# Altium PCB MCU009B_PCB_ASCII.PcbDoc (part 3 of 4) (continued)
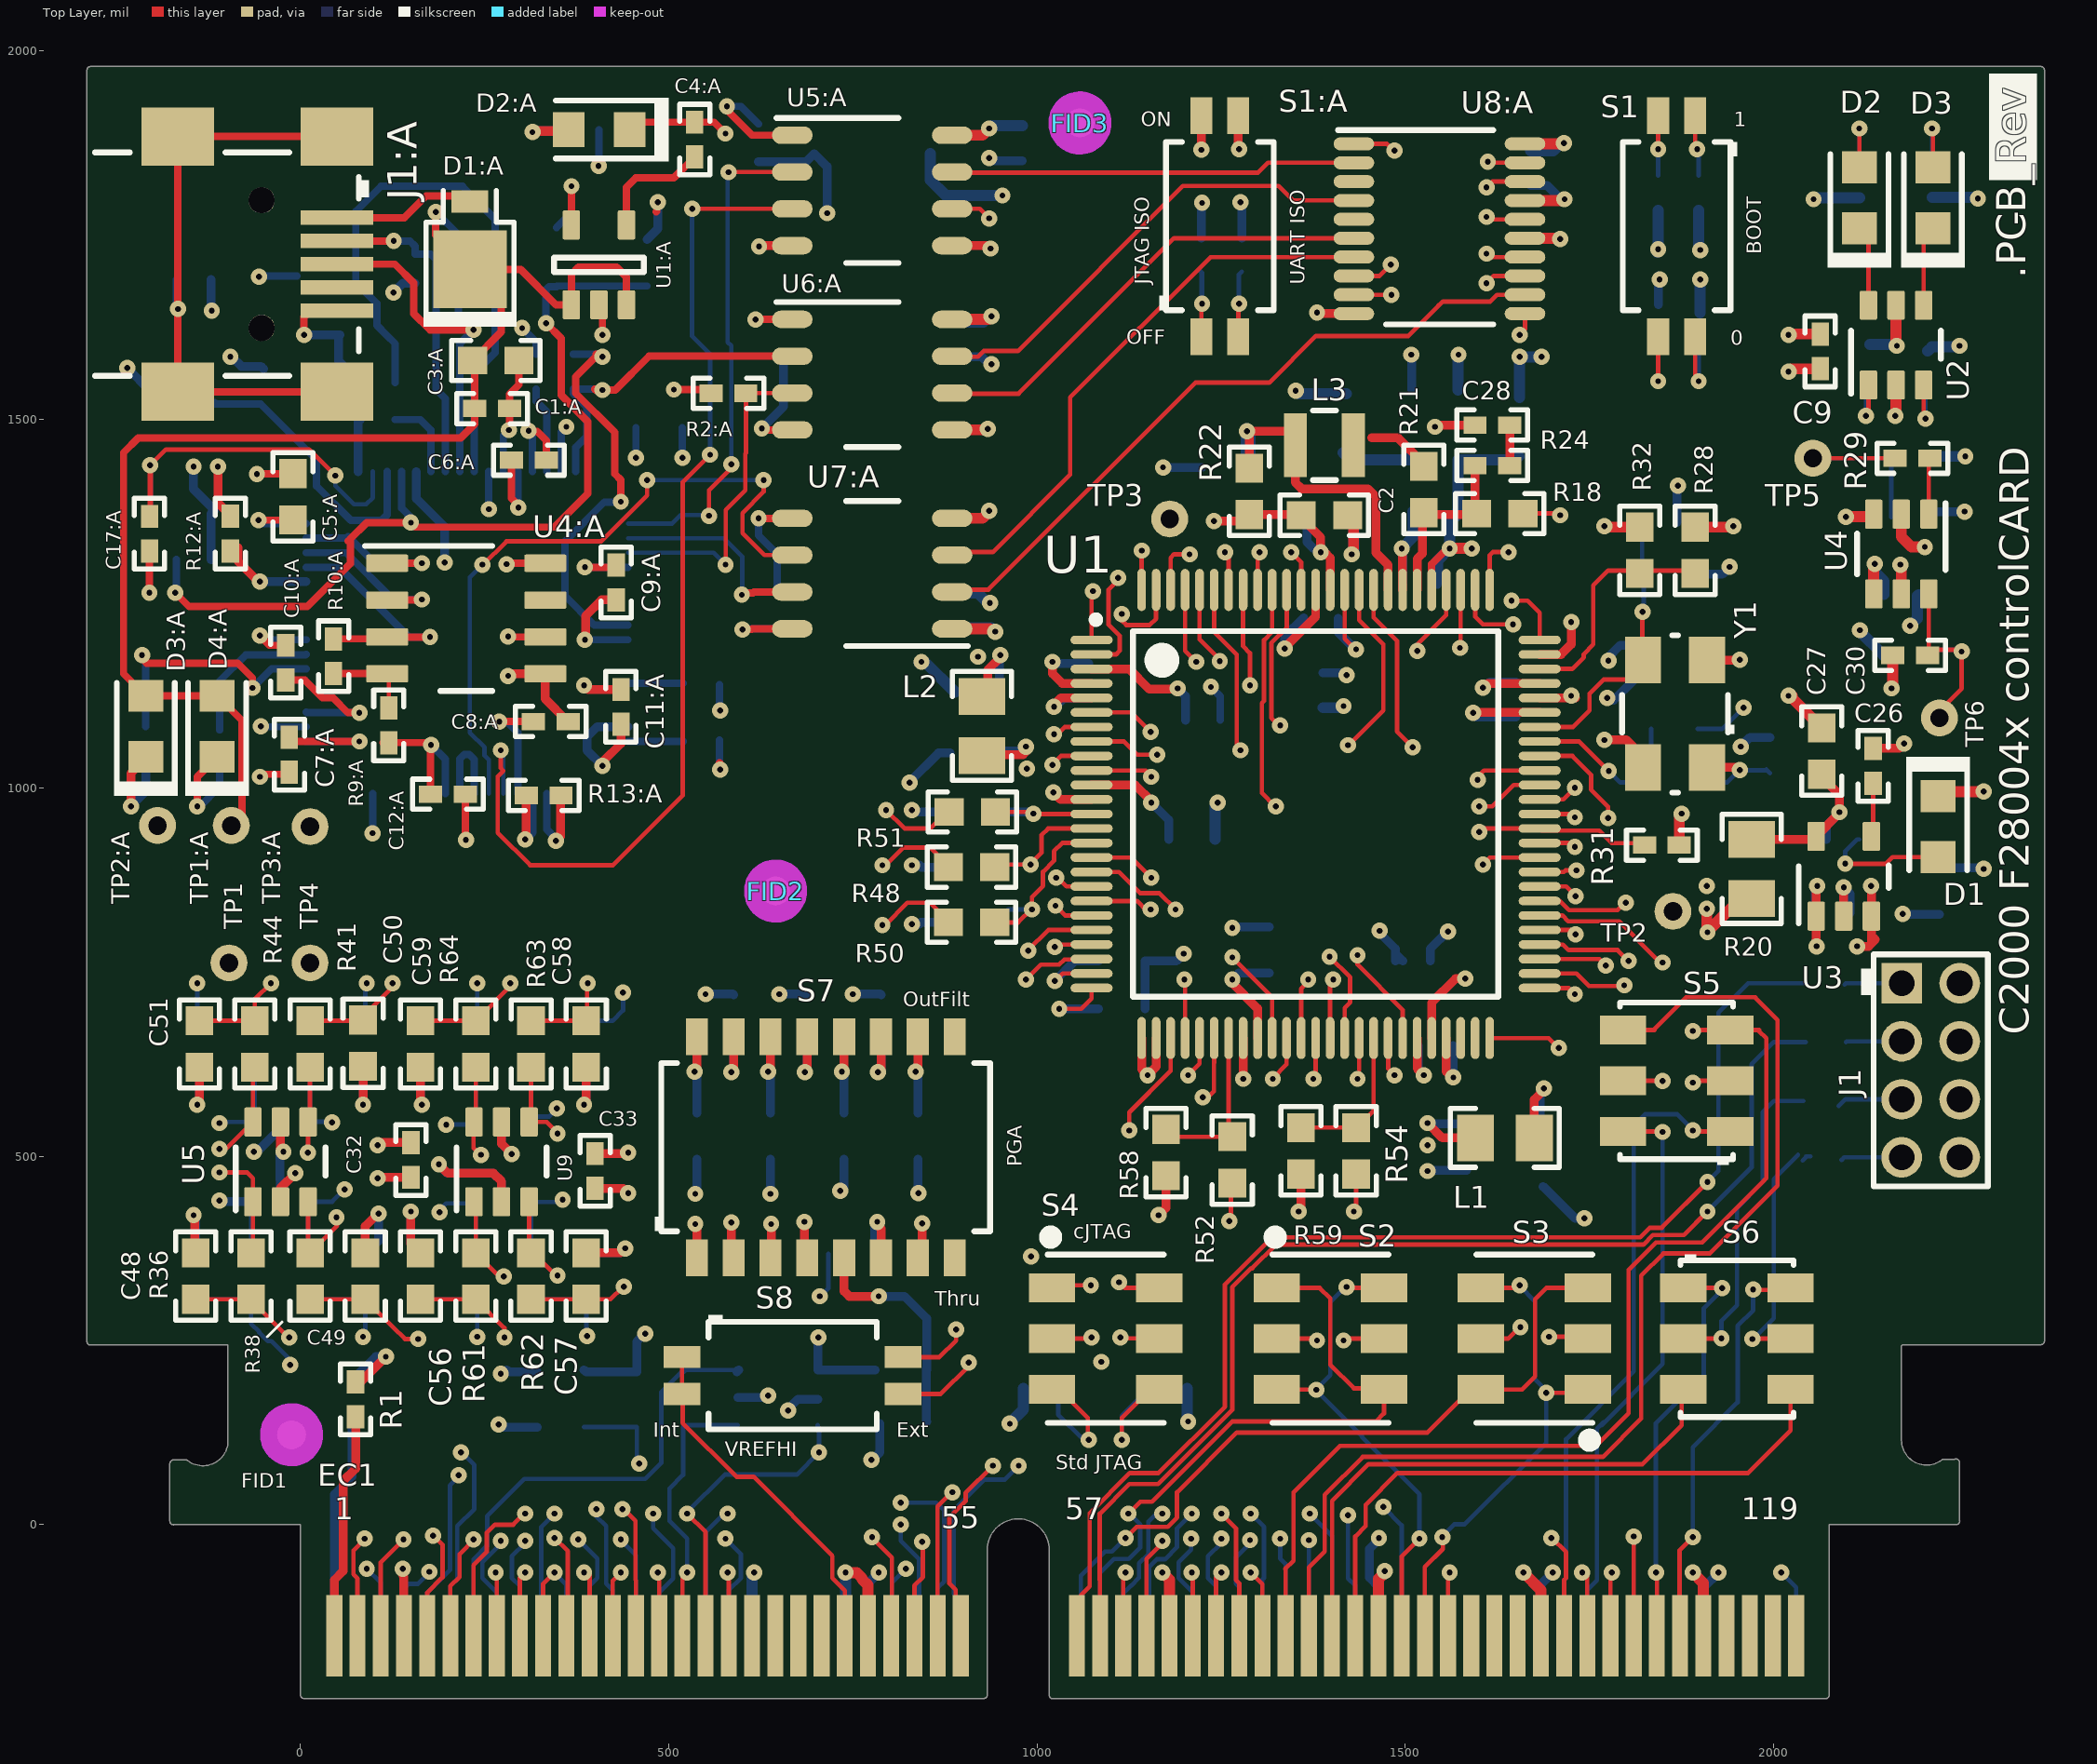
[diagram p0: Top Layer view]
## Nets (pads, with @x,y where several pads share a name; then routed paths per layer and width w, separated by ;. In a path a pad name is that pad's centre, name@x,y a point inside that pad or via, vN(x,y) a via of type N, cw(c..) or ccw(c..) an arc to the next point about the centre after c; other vN are vias at no path point) (continued)
  Bottom Layer w6: R5.2@2088,568 2097.27,577.27 J1.5@2173.62,577.27
MCU_GPIO-27: J1.7 R6.2 U1.59 | length 975.9
  Top Layer w6: U1.59@1682.23,885.82 1714.82,885.82 1717,888 v1(1732,888)
  Mid-Layer 3 w6: v1(1732,888) 1703,859 1703,793.14 1675,765.14 1675,637.86 1742.86,570 2017,570 2088.47,498.53 J1.7@2173.62,498.53 ; J1.7@2180,500 2185,495 J1.7@2190,495
  Bottom Layer w6: R6.2@2092,495 2095.53,498.53 J1.7@2173.62,498.53
MCU_GPIO-28: EC1.76 U1.1 U8:A.9 | length 2838.4
  Top Layer w6: U1.1@1073.97,1200.78 v1@1073.97,1265.97 ; U8:A.9@1430.05,1669.27 v1@1479.27,1669.27 ; v1(1481,1669) 1479.55,1669 v1@1479.27,1669.27 ; v1@1483,1670 1482.27,1669.27 v1@1479.27,1669.27
  Mid-Layer 8 w6: v1@1075,1266 1084,1257 1119.46,1257 1133,1243.46 1133,1242 1172,1203 1324.54,1203 1328.54,1207 1450,1207 1458,1199 1458,1130.28 1480,1108.28 1480,1034 1517,997 1517,898 1575,840 1575.43,840 1654,761.43 1654,448.54 1435.46,230 1368,230 1330,192 v1(1330,-19) ; v1@1076,1266 v1(1076,1267) 1076,1396 1097,1417 1097,1498 1186,1587 1391,1587 1438,1634 1446,1634 v1(1481,1669)
  Bottom Layer w6: v1(1330,-19) 1330,-46 1337,-53 ; EC1.76@1337.4,-150.67 1337.4,-53
MCU_GPIO-29: EC1.78 U1.100 U8:A.13 | length 2843.5
  Top Layer w6: U1.100@1141.88,1268.7 v1@1141.88,1322 ; v1(1610,1685) 1619.87,1694.87 U8:A.13@1662.34,1694.87
  Mid-Layer 8 w6: v1@1141,1323 v1(1142,1322) 1142,1515 1153,1526 ; v1@1143,1323 1186,1323 1198,1335 1214.46,1335 1225,1324.46 1225,1317 1298,1244 1446,1244 1478,1212 1478,1138.57 1537,1079.57 1537,906.72 1680,763.72 1680,635.4 1691.2,624.2 ; 1153.5,1525.5 1204,1576 1439,1576 1547,1684 v1@1611,1684 ; v1(1369,-21) 1370,-21 1388,-3 1388,133 1449.37,194.37 1449.37,215.63 1716,482.26 1716,599 1691,624 ; v1@1608,1687 v1@1610,1689
  Bottom Layer w6: EC1.78@1368.9,-150.67 1368.9,-24.1 v1@1369,-24
MCU_GPIO-30: EC1.80 U1.98 | length 1970.7
  Top Layer w6: U1.98@1181.25,1268.7 1181.25,1312.25 1186,1317 v1(1207,1317)
  Mid-Layer 8 w6: v1(1207,1317) 1207,1290 1274,1223 1452,1223 1468,1207 1468,1134.43 1495,1107.43 1495,1065.46 1492,1062.46 1492,1040 1527,1005 1527,902.57 1665.63,763.94 1665.63,446.03 1438,218.4 1438,201 1370,133 v1(1370,15)
  Bottom Layer w6: v1(1370,15) 1400.39,-15.39 EC1.80@1400.39,-150.67
MCU_GPIO-31: EC1.74 R12.1 U1.99 U2.1 | length 3290.4
  Top Layer w6: v1@1115,1227 1121,1221 1153,1221 1161.56,1229.56 U1.99@1161.56,1268.7 ; v1(2125,1505) 2128.5,1508.5 U2.1@2128.5,1546.73
  Mid-Layer 3 w6: v1(1115,1236) 1122,1236 1159,1273 1938.46,1273 2082.5,1417.04 2082.5,1424.5 ; 2083,1424 2125,1466 v1(2125,1505)
  Mid-Layer 8 w6: v1(1115,1236) 1115,1228 1152,1191 1255,1191 1270,1176 1270,1132.54 1291.54,1111 1343,1111 1366,1088 1434,1088 1454,1068 1454,903 1529,828 1529,802 1558,773 1580.86,773 1631.78,722.07 1631.78,457.78 1468,294 1357,294 1290,227 v1(1290,15)
  Bottom Layer w6: v1(1290,15) 1308,-3 1308,-72.46 1305.9,-74.55 EC1.74@1305.9,-150.67 ; v1(2125,1505) R12.1@2125,1552.76
MCU_GPIO-32: EC1.82 R26.1 S1.1 U1.64 | length 2629.3
  Top Layer w6: U1.64@1682.23,984.25 1714.25,984.25 v1(1730,1000) ; S1.1@1893.1,1912.4 1893.1,1866.9 1894,1866 1896,1868 v1(1896,1867)
  Mid-Layer 4 w6: v1@1423,12 1423,43 1575,195 1669,195 1810,336 1810,704 1821,715 1821,773.46 1784.46,810 1783.86,810 1765,828.86 1765,829 1756,838 1756,974 v1(1730,1000) 1705,1025 1705,1131 1768,1194 1768,1288 1792,1312 1792,1882 1820,1910 1855,1910 1896,1869 v1(1896,1867) 1898,1867 v1@1900,1865
  Bottom Layer w6: v1(1422,13) 1422,-73 1431.89,-82.89 EC1.82@1431.89,-150.67 ; v1(1896,1867) 1896,1870 1898.1,1867.9 R26.1@1898.1,1831.02
MCU_GPIO-33: EC1.105 U1.53 | length 1156.2
  Top Layer w6: U1.53@1682.23,767.71 1763.29,767.71 v1(1772,759) ; EC1.105@1809.84,-150.67 1809.84,-84.84 1810,-84.68 v1(1810,-16)
  Mid-Layer 8 w6: v1@1772,758 1778,752 1778,403.14 1670.86,296 1651,296 1625,270 1625,209 1810,24 v1(1810,-16)
MCU_GPIO-34: EC1.86 R13.1 U1.94 U2.3 | length 3059.2
  Top Layer w6: v1(1255,1320) 1259.99,1315.01 U1.94@1259.99,1268.7 ; 2203.31,1511.69 U2.3@2203.31,1546.73
  Mid-Layer 3 w6: v1(1255,1320) 1261,1320 1334,1393 1831,1393 1852,1414 1852,1417.46 1972.54,1538 2180,1538 2206,1512
  Mid-Layer 8 w6: v1@1251,1320 1251,1318.54 1315.54,1254 1455,1254 1488,1221 1488,1148 1547,1089 1547,910.86 1690,767.86 1690,639.54 1726,603.54 1726,478.12 1486,238.12 1486,41 v1@1469,24
  Bottom Layer w6: v1(1470,24) 1494.88,-0.88 EC1.86@1494.88,-150.67 ; R13.1@2205,1551.38 2206,1550.38 v1(2206,1501)
MCU_GPIO-35: S4.2 U1.63 | length 1391.7
  Top Layer w6: S4.2@1020.27,252.4 1072.4,252.4 v1(1074,254) ; U1.63@1682.23,964.56 1725.44,964.56 v1(1730,960)
  Mid-Layer 3 w6: v1@1065,255 1060,255 1030,285 1030,336.72 1053.28,360 1490,360 1630,500 1630,760.14 1679,809.14 1679,934 1705,960 v1(1730,960)
  Mid-Layer 7 w6: v1@1072,256 1071,255 1072,254 v1(1074,254)
MCU_GPIO-37: S4.5 U1.61 | length 1341
  Top Layer w6: v1(1113,254) 1114,253 1165.33,253 S4.5@1165.93,252.4 ; U1.61@1682.23,925.19 v1@1724.81,925.19
  Mid-Layer 3 w6: v1(1113,254) 1113,257 1090,280 1065,280 1050,295 1050,342.57 1057.43,350 1494.14,350 1640,495.86 1640,756 1689,805 1689,880 1729,920 v1(1730,920)
MCU_GPIO-39: EC1.62 U1.91 | length 1875.5
  Top Layer w6: U1.91@1319.04,1268.7 U1.91@1319.04,1268.7 1319,1211.6 1308,1200.6 1308,1118 1305,1115 1305,993 v1@1323,975
  Mid-Layer 8 w6: v1(1170,15) 1170,258 1278,366 1479,366 1585,472 1585,653 1558,680 ; v1@1323,975 1331.5,966.5 1360.5,966.5 1386,941 1386,910.86 1477.86,819 1478.46,819 1489,808.46 1489,770 1488.57,769.57 1530,728.14 1530,708.12 1558.06,680.06
  Bottom Layer w6: EC1.62@1116.93,-150.67 1116.93,-93.07 1127,-83 1127.46,-83 1138.42,-72.03 1138.42,-52.58 1151,-40 1151,4.15 1161.85,15 v1(1170,15)
  other v1: 1324,975
MCU_GPIO-40: EC1.68 U1.85 | length 1820.1
  Top Layer w6: v1@1421,1056 1470,1105 1470,1195 1437.16,1227.84 U1.85@1437.16,1268.7
  Mid-Layer 8 w6: v1(1209,-19) 1228,0 1228,261 1313,346 1490,346 1606.64,462.64 1606.64,666.36 1550,723 1550,736.43 1509,777.43 1509,817.86 1422,904.86 v1(1422,1058) 1422,1060 v1@1420,1062
  Bottom Layer w6: v1(1209,-19) 1209,-34 1192,-51 1192,-72.46 1211.42,-91.87 EC1.68@1211.42,-150.67
MCU_GPIO-56: EC1.103 U1.65 | length 1448.5
  Top Layer w6: v1(1600,975) 1618,975 1646.93,1003.93 U1.65@1682.23,1003.93 ; EC1.103@1778.35,-150.67 1778.35,-66.65 v1(1780,-65)
  Mid-Layer 8 w6: v1@1599,975 v1(1600,975) ; v1@1600,976 1688,888 1688,869 1728,829 1742.6,829 1759,812.6 1759,774 1754,769 1754,751.54 1764.54,741 1765,741 1768,738 1768,407.28 1666.72,306 1646.86,306 1615,274.14 1615,202 1780,37 v1(1780,-65)
MCU_GPIO-57: EC1.70 U1.66 | length 1578.5
  Top Layer w6: v1@1597,1014 1606.62,1023.62 U1.66@1682.23,1023.62
  Mid-Layer 4 w6: v1(1250,-19) 1243,-19 1270,8 1270,30 1278,38 1315,38 1562,285 1563,285 1746,468 1746,650 1673,723 1673,786 1579,880 1579,993 v1@1598,1012
  Bottom Layer w6: EC1.70@1242.91,-150.67 1242.91,-83.37 1232,-72.46 1232,-43 1250,-25 v1(1250,-19)
  other v1: 1598,1011
MCU_GPIO-58: EC1.99 U1.67 | length 1355.5
  Top Layer w6: U1.67@1682.23,1043.3 1726.7,1043.3 1752,1018 1752,997.54 1775,974.54 v1(1775,959) ; v1(1698,-18) 1699,-18 1718,-37 1718,-72.46 1715.35,-75.1 EC1.99@1715.35,-150.67
  Mid-Layer 4 w6: v1(1698,-18) 1698,121 1701,124 1700,125 1812.5,237.5 ; v1@1775,961 v1(1775,959) v1@1775,957 ; v1@1779,961 v1@1775,957 ; 1813,237 1823,247 1823,700 1831,708 1831,782 1775,838 v1@1775,957
MCU_GPIO-59: EC1.101 U1.92 | length 1967.2
  Top Layer w6: U1.92@1299.36,1268.7 1299.36,1320.36 1302,1323 v1(1302,1320) ; v1(1740,-65) 1745,-65 1746.85,-66.85 EC1.101@1746.85,-150.67
  Mid-Layer 8 w6: v1@1302,1323 v1(1302,1320) 1305,1320 1351,1274 1487,1274 1545,1216 1545,1125 1574,1096 1574,934 1588,920 1622.86,920 1723.86,819 1738.46,819 1749,808.46 1749,789.54 1743,783.54 1743,748.4 1758,733.4 1758,467.69 1598,307.69 1598,204.86 1740,62.86 v1(1740,-65)
MCU_TCK: EC1.5 U1.60 U8:A.16 | length 3628.2
  Top Layer w6: EC1.5@109.05,-150.67 109.05,-50.95 v1(140,-20) v1@141,-19 ; v1(1605,896) 1614.51,905.51 U1.60@1682.23,905.51 ; v1(1610,1775) 1613.36,1771.64 U8:A.16@1662.34,1771.64
  Mid-Layer 3 w6: v1(140,-20) 155,-35 194.6,-35 234.8,-75.2 ; 235,-75 245,-85 790.46,-85 803,-72.46 803,-13.46 797,-7.46 797,37.46 807.54,48 808,48 1010,250 1010,345 1045,380 1480,380 1608,508 1608,897 1607,896 v1(1605,896)
  Mid-Layer 4 w6: v1@1605,897 1624,916 1661,916 1685,940 1685,1133 1750,1198 1750,1371 1775,1396 1775,1693 1744,1724 1661,1724 v1(1610,1775)
MCU_TMS: EC1.3 R31.1 U1.62 U8:A.14 | length 3847.2
  Top Layer w6: EC1.3@77.56,-150.67 77.56,-73.01 72,-67.46 72,-35 v1@88,-19 ; v1@1597,937 v1(1600,940) 1604.88,944.88 U1.62@1682.23,944.88 1685.11,942 1763,942 1780,925 1820,925 R31.1@1825,920 ; v1(1610,1725) 1614.54,1720.46 U8:A.14@1662.34,1720.46
  Mid-Layer 3 w6: v1(87,-19) 110,-42 146.46,-42 149.46,-45 190.46,-45 240.46,-95 812.46,-95 840,-67.46 840,-44.46 826,-30.46 826,-15.54 840,-1.54 840,65.86 1020,245.86 1020,340.86 1049.14,370 1485,370 1620,505 1620,764.28 1624,768.28 1624,914 v1@1599,939
  Mid-Layer 4 w6: v1@1602,940 1653,940 1670,957 1670,1138 1702,1170 1702,1302 1734,1334 1734,1380 1763,1409 1763,1677 1728,1712 1623,1712 v1(1610,1725)
MCU_X1: C23.1 R17.2 U1.69 Y1.3 | length 359.4
  Top Layer w6: U1.69@1682.23,1082.67 1727.67,1082.67 1750,1105 1750,1128 1769,1147 Y1.3@1810,1147 ; Y1.3@1821.52,1173.5 1821.52,1238.52 v1(1822,1239)
  Bottom Layer w6: v1@1820,1240 1823.5,1243.5 R17.2@1823.5,1286.5 ; C23.1@1821.38,1360 1821.38,1288.62 R17.2@1823.5,1286.5 ; R17.2@1823.5,1290 R17.2@1823.5,1286.5
MCU_XRSN: C29.2 EC1.120 R27.1 R29.2 TP5.1 U1.2 | length 3103.5
  Top Layer w6: U1.2@1073.97,1181.1 1107.1,1181.1 1112,1186 1112,1206.54 1097,1221.54 1097,1269 v1@1111,1283 ; TP5.1@2055,1450 2057.6,1447.4 R29.2@2164.48,1447.4
  Mid-Layer 3 w6: v1@1108,1286 1111,1283 1768.46,1283 1888,1402.54 1888,1412 1929,1453 TP5.1@2061,1453
  Mid-Layer 4 w6: v1(2010,-65) 2010,320 2038,348 2038,681.54 2037,682.54 2037,1027 2054,1044 TP5.1@2054,1448
  Bottom Layer w6: v1(2010,-65) 2030.31,-85.31 EC1.120@2030.31,-150.67 ; TP5.1@2055,1445 2057.4,1447.4 R27.1@2164.48,1447.4 ; C29.2@2159.48,1367.4 R27.1@2159.48,1444.48
  other v1: 1110,1285
MID_SCI-RX: U5:A.6 U8:A.11 | length 879.8
  Top Layer w6: U5:A.6@883.5,1785.87 922.13,1785.87 v1(935,1773) ; v1(1655,1615) 1662.34,1622.34 U8:A.11@1662.34,1643.68
  Mid-Layer 3 w6: v1(935,1773) 1032,1773 1197,1608 1648,1608 v1(1655,1615)
MID_SCI-TX: U7:A.3 U8:A.7 | length 772.4
  Top Layer w6: U7:A.3@885,1320 940,1320 1045,1425 1045,1530 1235.46,1720.46 U8:A.7@1430.05,1720.46
MID_TCK: U6:A.7 U8:A.4 | length 646.8
  Top Layer w6: U6:A.7@890,1585 919.54,1585 927.54,1593 974,1593 1198,1817 1328,1817 1347.77,1797.23 U8:A.4@1430.05,1797.23
  Top Layer w12: U8:A.4@1428.28,1799 U8:A.4@1430.05,1797.23
MID_TDI: U5:A.7 U8:A.2 | length 554.7
  Top Layer w6: U5:A.7@885,1835 1300,1835 1313.41,1848.41 U8:A.2@1430.05,1848.41
  Top Layer w12: U5:A.7@883.5,1835.87 U5:A.7@886.37,1833
MID_TDO: U7:A.2 U8:A.12 | length 946.7
  Top Layer w6: U7:A.2@883.5,1265.87 886.64,1269 934,1269 1215,1550 1315,1550 1378.38,1613.38 1504.17,1613.38 1545.79,1655 ; 1545,1655 1545.79,1655 ; U8:A.12@1662.34,1669.27 1624.27,1669.27 1615,1660 1550.79,1660 1545.79,1655
MID_TMS: U6:A.6 U8:A.6 | length 647.3
  Top Layer w6: U6:A.6@890,1535 975,1535 1186.05,1746.05 U8:A.6@1430.05,1746.05 U8:A.6@1449.88,1746.05
NetC4:A_2: C4:A.2 U1:A.4 | length 160.7
  Top Layer w10: U1:A.4@442.6,1763.98 442.6,1815.08 455.41,1827.9 506.87,1827.9 C4:A.2@535.2,1856.22
NetC13:A_1: C13:A.1 C14:A.2 L1:A.1 U2:A.4 | length 1219.1
  Top Layer w10: v2(-170,1265) -150.97,1245.97 9.2,1245.97 67.67,1304.45 67.67,1337.67 ; 65,1335 67.67,1337.67 ; v2(333.44,1630.72) 353.96,1610.2 353.96,1533.04 390,1497 390,1399.38 344.58,1353.97 156.03,1353.97 v2(150,1360) 90,1360 67.67,1337.67
  Bottom Layer w10: v2(-170,1265) -168.43,1266.57 C14:A.2@-168.43,1309.84 ; U2:A.4@137.64,1429.37 137.64,1379.36 150,1367 v2(150,1360) ; v2(333.44,1630.72) 333.44,1676.22 337.51,1680.29 L1:A.1@347.57,1680.29 348.43,1681.15 C13:A.1@470.54,1681.15
NetC15:A_1: C15:A.1 C16:A.2 L2:A.1 U2:A.9 | length 830.8
  Bottom Layer w10: C16:A.2@128.82,1549.84 128.82,1602.72 C15:A.1@116.69,1614.84 103.85,1627.68 103.85,1657.29 75.2,1685.95 L2:A.1@75.2,1694.84 75.2,1782.28 109.33,1816.42 219.93,1816.42 264.51,1771.83 264.51,1590.85 236.06,1562.4 U2:A.9@236.06,1429.37
NetC17:A_2: C17:A.2 U2:A.2 Y1:A.1 | length 578.7
  Top Layer w6: C17:A.2@-204.8,1368.46 v2@-204.8,1436.81 ; C17:A.2@-203.11,1377.01 -203.11,1437.07 v2(-203.82,1437.79) -182.41,1459.2 12.04,1459.2 v2(47.45,1423.78)
  Bottom Layer w6: Y1:A.1@-203.11,1377.01 v2@-203.11,1437.07 ; v2(47.45,1423.78) 47.45,1409.89 72.53,1384.82 89.38,1384.82 98.27,1393.7 U2:A.2@98.27,1429.37
NetC18:A_2: C18:A.2 U2:A.3 Y1:A.3 | length 383.2
  Bottom Layer w10: Y1:A.3@-116.5,1522.68 -115.04,1521.22 -54.22,1521.22 22,1445 22,1409.55 68.46,1363.09 110.36,1363.09 117.95,1370.68 U2:A.3@117.95,1429.37
NetC26_2: C26.2 U3.4 | length 71.4
  Top Layer w6: U3.4@2135,935 C26.2@2135,1006.38
NetC27_2: C27.2 R20.1 R23.1 U3.5 | length 241.3
  Top Layer w12: R20.1@1970,930 U3.5@2055,930 ; U3.5@2057.6,934.13 2089,965.54 v1(2089,967) 2089,991 2065,1015 C27.2@2065,1018.5
  Bottom Layer w12: R23.1@2071.38,930 2071.38,948.38 v1@2091,968 ; v1@2088,968 v1@2090,970
NetC28_1: C28.1 R24.1 | length 59
  Top Layer w12: R24.1@1641.72,1437.4 1641.72,1491.72 C28.1@1645,1495
NetC30_2: C30.2 R30.1 TP6.1 U4.6 | length 285.7
  Top Layer w6: C30.2@2205,1185 C30.2@2207.4,1187.4 ; C30.2@2206.72,1187.4 C30.2@2207.4,1187.4 ; U4.6@2210.5,1263.27 2210.5,1190.5 C30.2@2207.4,1187.4 ; TP6.1@2215,1095 2255,1135 v1(2255,1185) 2252.6,1187.4 C30.2@2207.4,1187.4
  Bottom Layer w6: R30.1@2206.72,1187.4 2252.6,1187.4 v1(2255,1185)
NetC60_2: C60.2 S8.4 U1.25 | length 717.2
  Top Layer w6: S8.4@818.1,227.4 867.4,227.4 890,250 v1(890,265) ; v1(1030,700) 1060,700 1073.97,713.97 U1.25@1073.97,728.34
  Mid-Layer 8 w6: v1(890,265) 912,287 912,367 959,414 959,638 1021,700 v1(1030,700)
  Bottom Layer w12: v1@1030,705 v1(1030,700) C60.2@1083.5,700
NetC61_2: C61.2 S8.3 U1.24 | length 841.1
  Top Layer w6: S8.3@818.1,177.4 869.4,177.4 907,215 v1(907,220) ; v1@1024,737 1035.03,748.03 U1.24@1073.97,748.03
  Mid-Layer 8 w6: v1@907,219 860,266 860,345 944,429 944,654 1024,734 v1(1024,738)
  Bottom Layer w12: v1(1024,738) 1051,765 C61.2@1083.5,765
NetD1_2: D1.2 R23.2 | length 172.5
  Top Layer w6: v1(2097,897) 2152,897 2161.06,906.06 D1.2@2223.1,906.06
  Bottom Layer w6: v1(2097,897) 2097,914 2113,930 R23.2@2115.62,930 R23.2@2116,930
NetD2:A_2: D2:A.2 R1:A.2 | length 132.5
  Top Layer w10: v2(315,1890) 360.68,1890 D2:A.2@364.09,1893.41 ; v2@319.93,1892.91 D2:A.2@357.85,1892.91
  Bottom Layer w10: v2(315,1890) 317.91,1892.91 R1:A.2@357.85,1892.91
NetD2_1: D2.1 U2.6 | length 91.5
  Top Layer w6: U2.6@2128.5,1655 D2.1@2128.5,1746.5
NetD2_2: D2.2 R10.2 | length 99.9
  Top Layer w6: v1(2116,1895) 2116.22,1894.78 D2.2@2116.22,1842.2
  Bottom Layer w6: v1(2116,1895) 2116.35,1894.65 R10.2@2116.34,1848.1
NetD3:A_1: D3:A.1 R7:A.2 | length 149.9
  Top Layer w12: v2(-230,975) -230,1020 D3:A.1@-205,1045
  Bottom Layer w12: v2(-230,975) -209.8,995.2 R7:A.2@-209.8,1036.22
NetD3_1: D3.1 U2.4 | length 83.3
  Top Layer w6: U2.4@2203.31,1655 D3.1@2203.31,1738.31
NetD3_2: D3.2 R11.2 | length 89.5
  Top Layer w6: v1(2215,1895) 2215.91,1894.09 D3.2@2215.91,1842.2
  Bottom Layer w6: R11.2@2215.08,1848.61 v1@2215.08,1884.92
NetD4:A_1: D4:A.1 R8:A.2 | length 153.6
  Top Layer w10: v2(-140,975) -140,1015 -116.79,1038.21 D4:A.1@-109.8,1031.22
  Bottom Layer w10: v2(-140,975) -136.24,975 -109.8,1001.43 R8:A.2@-109.8,1031.22
NetEC1_1: EC1.1 R1.2 | length 313.9
  Top Layer w10: R1.2@70.2,148.03 R1.2@71.06,147.17
  Top Layer w12: EC1.1@46.06,-150.67 46.06,-74.94 58,-63 58,59 75,76 R1.2@75,146.38 ; R1.2@70,146.38 R1.2@70,150
NetEC1_2: EC1.2 R2.1 | length 306.8
  Bottom Layer w10: R2.1@70.2,148.03 R2.1@71.06,147.17
  Bottom Layer w12: EC1.2@46.06,-150.67 46.06,41.06 70,65 R2.1@70,145
NetEC1_89: EC1.89 R7.1 | length 1669
  Top Layer w6: EC1.89@1557.87,-150.67 1557.87,-67.13 v1(1560,-65)
  Mid-Layer 8 w6: v1(1560,-65) 1590,-95 1775.46,-95 1798,-72.46 1798,-72 1840,-30 1840,480 1872,512 1872,677.46 1935,740.46 1935,1085 v1(1959,1109)
  Bottom Layer w6: R7.1@1896.5,1080 1930,1080 v1(1959,1109)
NetJ1:A_2: J1:A.2 U2:A.7 U3:A.5 | length 444.4
  Top Layer w10: J1:A.2@49.86,1742.36 v2(126.72,1742.36) v2@126.99,1742.64
  Bottom Layer w10: v2(126.72,1742.36) 148.54,1742.36 155.67,1735.23 155.67,1724.53 176.86,1724.53 184.11,1717.28 184.11,1540.89 196.69,1528.31 U2:A.7@196.69,1429.37
NetJ1:A_3: J1:A.3 U2:A.8 U3:A.3 | length 518.3
  Top Layer w10: J1:A.3@49.86,1710.87 128.22,1710.87 153.93,1685.16 153.93,1643.7 175.99,1621.64 v2(234.99,1621.64)
  Bottom Layer w10: U3:A.3@214.72,1685.16 214.72,1641.91 v2(234.99,1621.64) 216.38,1603.02 U2:A.8@216.38,1429.37
NetJ1:A_6: J1:A.6 J1:A.7 J1:A.8 J1:A.9 R6:A.1 | length 817.5
  Top Layer w10: J1:A.7@49.86,1537.64 J1:A.9@-166.67,1537.64 -166.67,1649.29 v2(-165.99,1649.98) -166.67,1650.66 J1:A.8@-166.67,1884.09 J1:A.6@49.86,1884.09
  Bottom Layer w10: v2@-168.43,1652.42 R6:A.1@-168.43,1689.84
NetL3_1: L3.1 R21.1 | length 85.1
  Top Layer w12: 1454.37,1475 1490,1475 R21.1@1525,1440
NetR3:A_2: R3:A.2 U2:A.24 | length 550.5
  Top Layer w10: v2@401.66,1588.46 v2@403.34,1586.79 ; v2(410,1585) 400.96,1585 373.47,1557.5 373.47,1535.88 427,1482.34 427,1426.09 435.01,1418.09 v2(435.01,1388.3) v2@434.61,1387.9
  Bottom Layer w10: R3:A.2@370.2,1588.46 v2@401.66,1588.46 ; v2@434.61,1387.9 412.64,1387.9 359.33,1334.59 359.33,1260.3 398.92,1220.71 U2:A.24@444.72,1220.71
NetR4:A_1: R4:A.1 U2:A.28 | length 74.7
  Bottom Layer w10: U2:A.28@444.72,1141.97 R4:A.1@519.45,1141.97
NetR5:A_1: R5:A.1 U2:A.32 | length 75.2
  Bottom Layer w10: U2:A.32@444.72,1063.23 R5:A.1@519.96,1063.23
NetR7:A_1: R7:A.1 U2:A.54 | length 347.2
  Top Layer w10: v2(-215,1180) -215,1175.64 -208.75,1169.39 -85.22,1169.39 -65.01,1149.18 v2(-65.01,1135.64)
  Bottom Layer w10: R7:A.1@-209.8,1083.46 -209.8,1168.34 ; v2(-65.01,1135.64) -38.99,1161.65 U2:A.54@7.72,1161.65
NetR8:A_1: R8:A.1 U2:A.55 | length 199
  Bottom Layer w10: R8:A.1@-109.8,1078.46 -109.8,1144.84 -74.01,1180.64 7.02,1180.64 U2:A.55@7.72,1181.34
NetR9:A_2: R9:A.2 R10:A.1 U4:A.4 | length 129
  Top Layer w6: U4:A.4@112.18,1149.46 U4:A.4@116.36,1153.64 ; U4:A.4@115,1155 U4:A.4@116.36,1153.64 ; U4:A.4@117.74,1155.02 U4:A.4@116.36,1153.64 ; R9:A.2@120,1108.62 120,1150 116.53,1153.47 U4:A.4@116.36,1153.64
  Top Layer w10: R10:A.1@44.99,1155.02 U4:A.4@117.74,1155.02
NetR10:A_2: R10:A.2 U2:A.61 U4:A.3 | length 339.5
  Top Layer w10: R10:A.2@44.99,1202.26 115.74,1202.26 118.12,1204.64 v2(175.99,1204.64)
  Bottom Layer w10: U2:A.61@7.72,1299.45 52.67,1299.45 147.48,1204.64 v2(175.99,1204.64)
NetR11:A_2: R11:A.2 U2:A.14 | length 117.8
  Bottom Layer w10: R11:A.2@320.2,1541.22 320.2,1524.8 334.49,1510.51 U2:A.14@334.49,1429.37
NetR12:A_2: R12:A.2 U2:A.60 | length 122.6
  Top Layer w12: R12:A.2@-84.8,1326.22 -84.8,1307.8 -57,1280 v1(-55,1280)
  Bottom Layer w12: v1(-55,1280) -54.76,1279.76 U2:A.60@7.72,1279.76
NetR13:A_2: R13:A.2 U2:A.36 | length 126.9
  Top Layer w12: v1(305,930) 306.57,931.57 R13:A.2@306.57,989.84
  Bottom Layer w12: v1(305,930) 314.8,939.8 U2:A.36@314.8,992.36
NetR14:A_2: R14:A.2 U2:A.6 | length 110.3
  Bottom Layer w10: R14:A.2@128.82,1499.84 162.79,1499.84 177.01,1485.62 U2:A.6@177.01,1429.37
NetR15:A_1: R15:A.1 S1:A.1 U8:A.1 | length 549
  Top Layer w6: S1:A.1@1223.1,1612.4 1223.1,1658.1 1224,1657.2 v1(1224,1657) ; U8:A.1@1430.05,1874 1475,1874 1484,1865 v1(1485,1865)
  Mid-Layer 3 w6: v1(1224,1657) 1224,1689 1272,1737 1319,1737 1423,1841 1463,1841 v1@1486,1864
  Bottom Layer w6: R15:A.1@1222,1701 1224,1699 v1(1224,1657) ; v1@1223.1,1666.9 R15:A.1@1223.1,1698.78
NetR16:A_1: R16:A.1 S1:A.2 U8:A.19 | length 589.3
  Top Layer w6: S1:A.2@1273.1,1612.4 1273.1,1658.1 1274,1657.2 v1(1274,1657) ; v1(1611.82,1850) 1613.41,1848.41 U8:A.19@1662.34,1848.41
  Mid-Layer 3 w6: v1(1274,1657) 1274,1703 1293,1722 1353,1722 1462,1831 1595,1831 v1@1613,1849
  Bottom Layer w6: v1(1274,1657) 1274,1696.68 R16:A.1@1278.1,1700.78
NetR28_1: R28.1 R32.1 U1.73 | length 322.1
  Top Layer w6: U1.73@1673,1161.41 U1.73@1682.23,1161.41 1726.41,1161.41 1742,1177 1742,1181.6 1755,1194.6 1755,1275 1775,1295 R28.1@1890,1295
NetR29_1: R29.1 U4.1 | length 69
  Top Layer w6: U4.1@2210.5,1371.53 R29.1@2210.5,1440.5
NetR33_1: R33.1 S1.3 | length 115.7
  Top Layer w6: v1(1843,1552) 1843.1,1552.1 S1.3@1843.1,1612.4
  Bottom Layer w6: v1@1842,1554 1843.1,1555.1 R33.1@1843.1,1608.78
NetR34_2: R34.2 S1.4 | length 121.7
  Top Layer w6: S1.4@1893.1,1612.4 1893.1,1556.9 v1(1898,1552) 1898,1553 v1@1899,1554
  Bottom Layer w6: v1(1898,1552) 1898.1,1552.1 R34.2@1898.1,1608.78
NetR35_2: R35.2 S7.6 | length 98.6
  Top Layer w12: v1(783,411) v1@783,410.8 ; v1@785,408.8 v1@783,410.8 ; S7.6@788.1,362.4 788.1,401.9 783,407 v1@783,410.8
  Bottom Layer w12: R35.2@779.6,367.4 779.6,404.6 783,408 v1(783,411)
NetR48_2: R48.2 R55.2 U1.14 | length 220
  Top Layer w6: R48.2@944,891 949,896 v1(991,896) 991,892 v1@990,891 ; v1@991,897 1006,912 1006,936 1014.88,944.88 U1.14@1073.97,944.88
  Bottom Layer w6: R55.2@944,892 948,896 v1(991,896)
NetR50_2: R50.2 R56.2 U1.15 | length 259.1
  Top Layer w6: R50.2@944.6,817.4 974.4,817.4 v1@993,836 ; v1(993,835) v1@993,836 ; 1034,925 1023,914 1023,901 1008,886 1008,867 993,852 v1@993,836 ; 1034,925.19 U1.15@1073.97,925.19
  Bottom Layer w6: R56.2@946,818 R56.2@949,821 ; R56.2@948,822 961,835 v1(993,835)
  Bottom Layer w12: R56.2@940,820 R56.2@941,821
NetR51_2: R51.2 R57.2 U1.13 | length 181.9
  Top Layer w6: R51.2@944.6,967.4 992.6,967.4 v1(995,965) 995.44,964.56 U1.13@1073.97,964.56
  Bottom Layer w12: R57.2@944.6,967.4 992.6,967.4 v1(995,965)
NetR52_2: R52.2 R58.2 U1.32 | length 211
  Top Layer w6: R58.2@1175,540 1188.5,526.5 R52.2@1265,526.5 ; R52.2@1259.99,545.01 U1.32@1259.99,660.43
NetR54_2: R54.2 R59.2 U1.42 | length 203.7
  Top Layer w6: R59.2@1358.9,538.9 R54.2@1433.1,538.9 ; R54.2@1435,540 1456.84,561.84 U1.42@1456.84,660.43
NetS2_5: S2.5 S4.1 | length 487
  Top Layer w6: S4.1@1020.27,321.3 1023.97,325 v1(1073,325) ; v1(1416,250) 1418.4,252.4 S2.5@1470.93,252.4
  Mid-Layer 3 w6: v1(1073,325) 1115,283 1383,283 1413,253 v1@1420,253
NetS3_2: S3.2 S4.4 | length 737.1
  Top Layer w6: v1(1111,329) 1118.7,321.3 S4.4@1165.93,321.3 ; v1(1695,255) 1744,255 S3.2@1746.6,252.4 ; S3.2@1747,252 S3.2@1746.6,252.4 ; S3.2@1747.83,252.4 S3.2@1746.6,252.4
  Mid-Layer 3 w6: v1(1111,329) 1388.14,329 1412.54,304.6 1427.46,304.6 1427.86,305 1663,305 1695,273 v1@1695,256
NetU2:A_40: U2:A.40 U2:A.41 | length 118.3
  Bottom Layer w10: U2:A.41@216.38,992.36 216.38,1039.33 222.52,1045.47 229.18,1045.47 236.06,1038.59 U2:A.40@236.06,992.36
NetU2:A_62: U2:A.62 U4:A.2 | length 231
  Top Layer w10: U4:A.2@117.91,1254.84 164.2,1254.84 v2(164.99,1255.64)
  Bottom Layer w10: U2:A.62@7.72,1319.13 61.99,1319.13 125.49,1255.64 v2(164.99,1255.64)
NetU2:A_63: U2:A.63 U4:A.1 | length 227.2
  Top Layer w10: U4:A.1@117.91,1304.84 164.84,1304.84 v2(165,1305) v2@166,1306
  Bottom Layer w10: U2:A.63@7.72,1338.82 67.18,1338.82 ; 65,1341 67.18,1338.82 ; v2(165,1305) 101,1305 67.18,1338.82 ; v2@166,1306 v2@169,1303
SW_3V3: C18.1 C20.2 C21.2 R14.2 U1.80 | length 398.4
  Top Layer w10: U1.80@1535.58,1268.7 1535.58,1303.58 1556,1324 v1@1561,1324
  Top Layer w15: v1(1560,1325) 1589,1325 1590,1324 v1(1590,1325)
  Bottom Layer w10: C18.1@1543.62,1275 C18.1@1543.62,1280
  Bottom Layer w15: C18.1@1543.62,1280 1543.62,1308.62 v1(1560,1325) ; C20.2@1570,1375 1571.5,1376.5 C21.2@1571.5,1445 1649,1445 R14.2@1654,1450 ; C20.2@1575,1375 1560,1360 v1(1560,1325) ; v1(1590,1325) v1(1560,1325)
SW_GND: C18.2 C20.1 C21.1 C28.2 R15.2 U1.82 | length 318.8
  Top Layer w12: v1(1495,1325) 1495,1320 1496.21,1318.79 U1.82@1496.21,1268.7 ; v1(1540,1490) 1542.4,1492.4 C28.2@1594.48,1492.4
  Bottom Layer w12: v1(1495,1325) 1496.38,1323.62 C18.2@1496.38,1280
  Bottom Layer w15: R15.2@1415,1455 1425,1445 C21.1@1508.5,1445 ; v1(1495,1325) 1510,1340 C20.1@1510,1375 ; C21.1@1505,1450 C21.1@1510,1445
SW_GPIO-26: R5.1 S6.2 | length 443.5
  Top Layer w6: S6.2@1877.17,252.4 1928.4,252.4 v1(1929,253)
  Bottom Layer w6: v1(1929,253) 1929,277 1950,298 1950,430 1985,465 1985,560 2000,575 R5.1@2033.5,575 R5.1@2040,575
SW_GPIO-27: R6.1 S6.5 | length 342.9
  Top Layer w6: v1(1971,252) 1972.2,252 1972.6,252.4 S6.5@2022.83,252.4
  Bottom Layer w6: v1(1971,252) 1972,252 2000,280 2000,469 R6.1@2033,502 ; R6.1@2039.25,494.25 R6.1@2045,500 ; R6.1@2043.5,500 R6.1@2045,500 ; R6.1@2050,500 R6.1@2045,500
X2: C22.1 R16.1 Y1.1 | length 163.8
  Top Layer w12: Y1.1@1908.13,1027.83 1952.17,1027.83 1954,1026 v1(1954,1024)
  Bottom Layer w6: R16.1@1889.6,1007.4 1936.4,1007.4 v1@1954,1025 ; v1(1954,1024) 1989,1024 1990,1025 C22.1@1995,1020
pads on no net: EC1.4 EC1.32 EC1.37 EC1.39 EC1.40 EC1.41 EC1.42 EC1.43 EC1.44 EC1.66 EC1.88 EC1.90 EC1.91 EC1.92 EC1.93 EC1.94 EC1.95 EC1.96 EC1.104 EC1.106 EC1.108 EC1.110 EC1.113 EC1.114 EC1.115 EC1.116 EC1.117 EC1.118 EC1.119 FID1.1 FID2.1 FID3.1 FID4.1 FID5.1 FID6.1 J1:A.4 J1:A.ALIGN1 J1:A.ALIGN2 S7.8 S7.9 U1.48 U1.49 U2:A.21 U2:A.22 U2:A.23 U2:A.26 U2:A.27 U2:A.29 U2:A.30 U2:A.33 U2:A.34 U2:A.43 U2:A.44 U2:A.45 U2:A.46 U2:A.48 U2:A.52 U2:A.53 U2:A.57 U2:A.58 U2:A.59 U3:A.2 U4:A.7 U8:A.3 U8:A.5